# Altium PCB Rev5_FE_Test.PCBDOC (part 1 of 2)
Units mm, origin at the board's own origin, x right, y up, seen from the top; angles counter-clockwise.
Board outline 100 x 23.5 mm, 6 copper layers (Top Layer, Int1 (GND), Int2 (Sign), Int3 (Sign), Int4 (GND), Bottom Layer), stack 1.49 mm thick; 156 components, 83 nets, 449 pads, 275 vias.
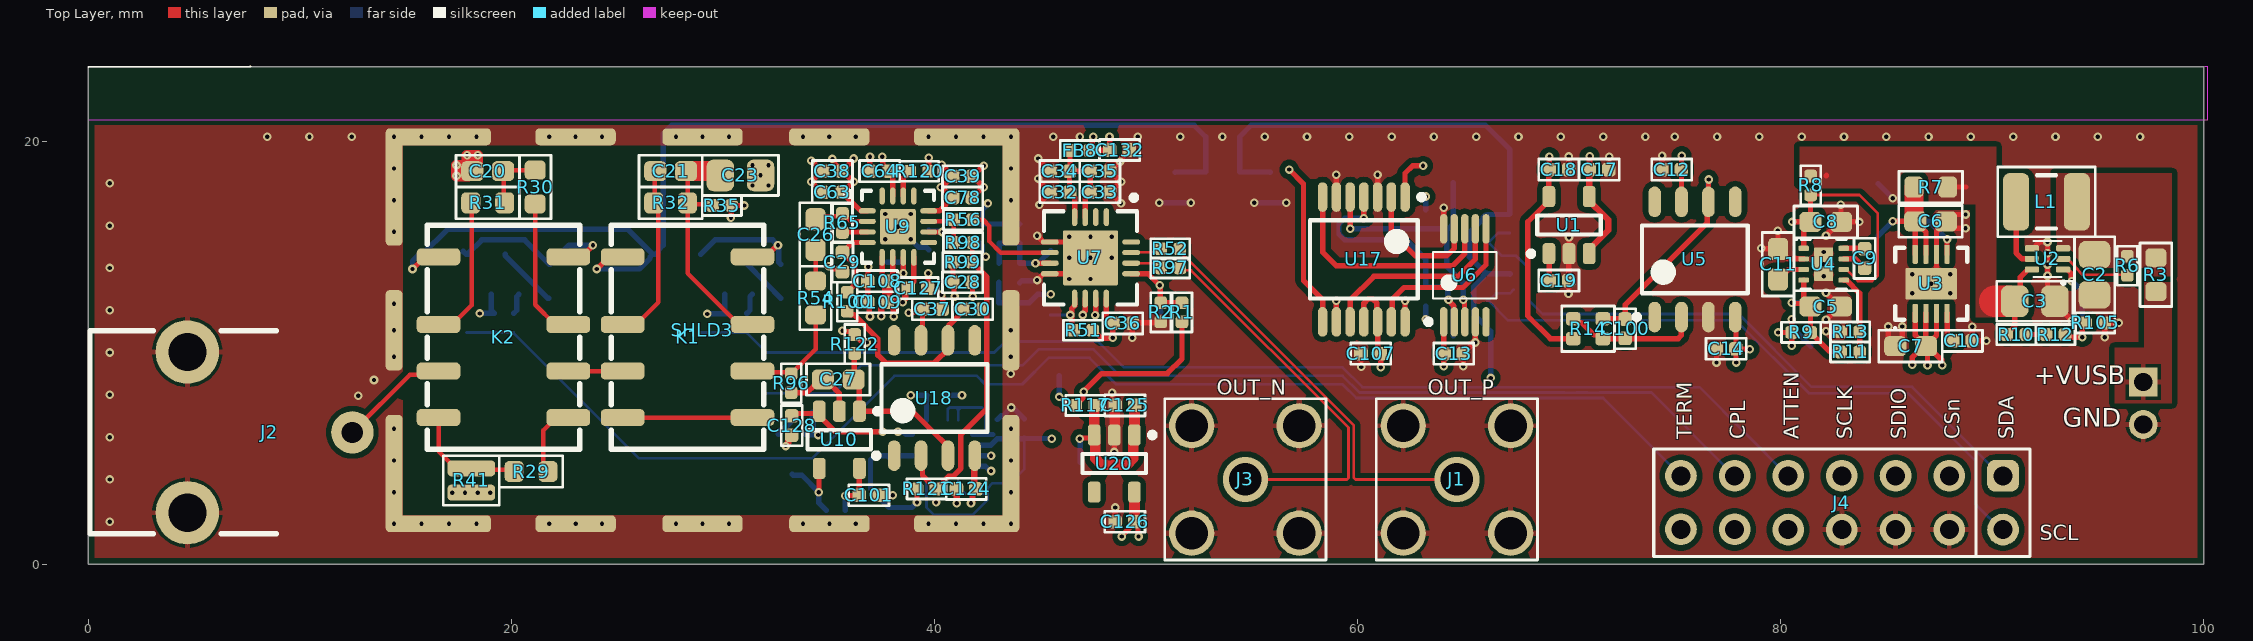
[diagram p0: Top Layer view]
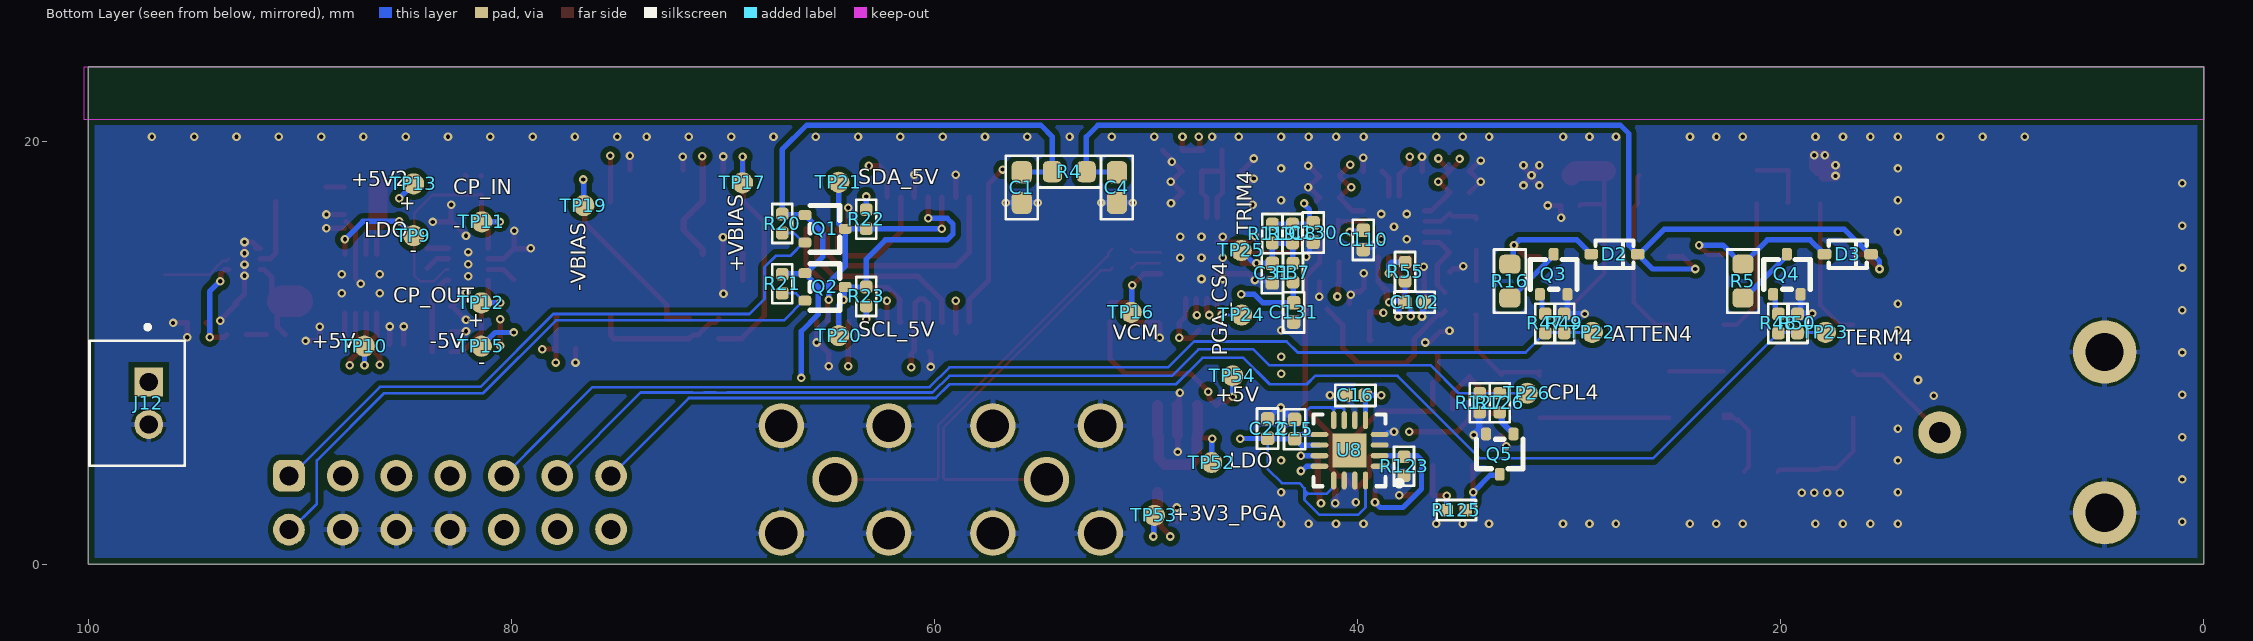
[diagram p1: Bottom Layer view, seen from below]
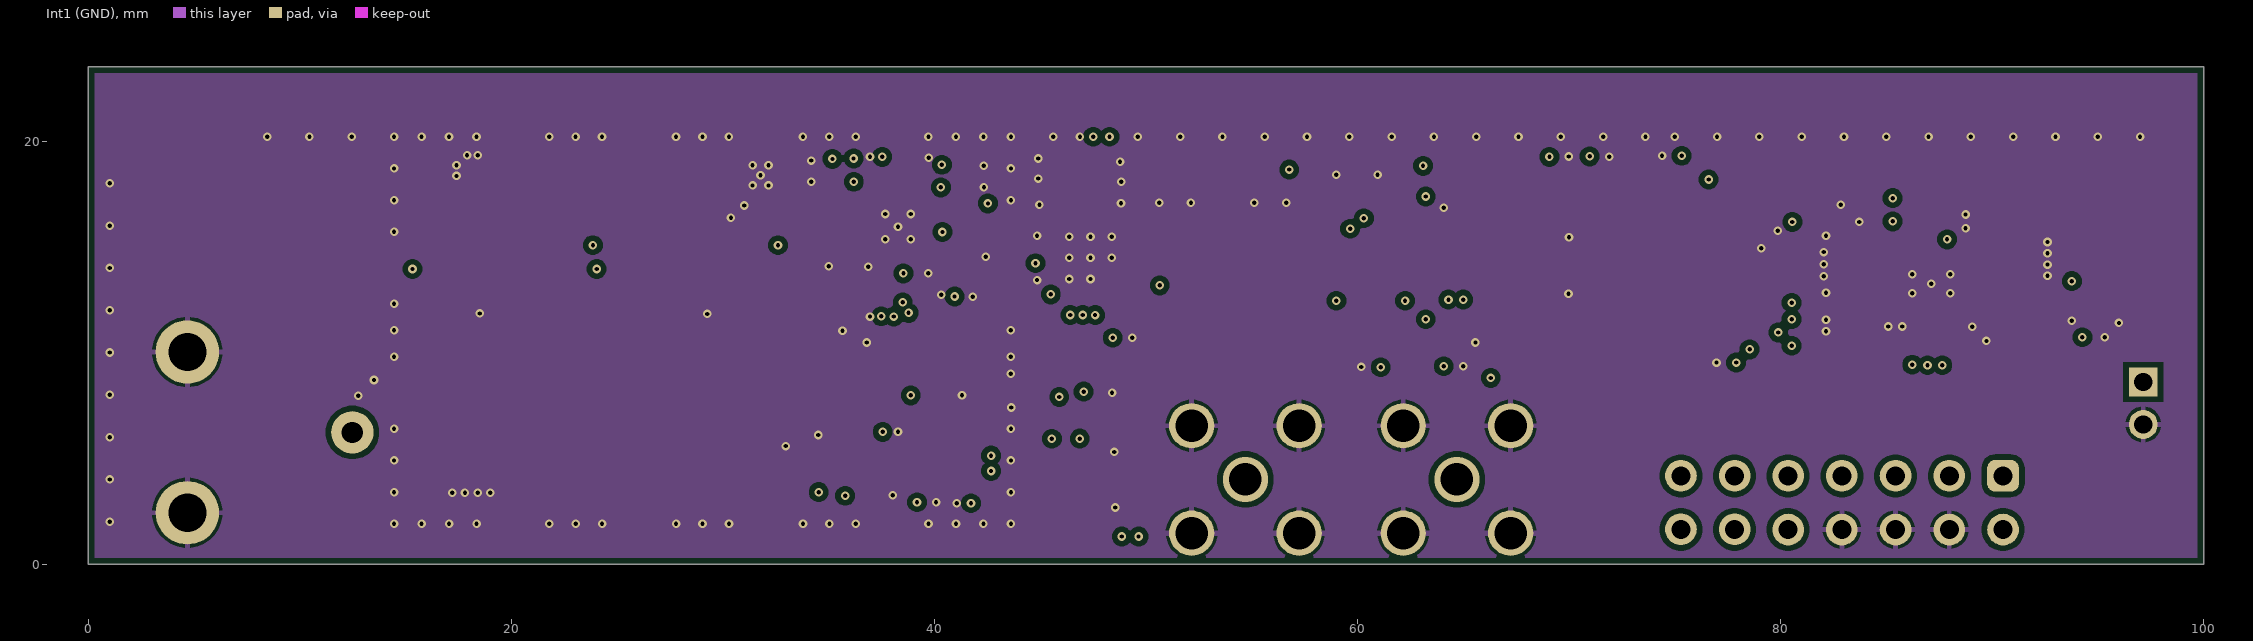
[diagram p2: Int1 (GND)]
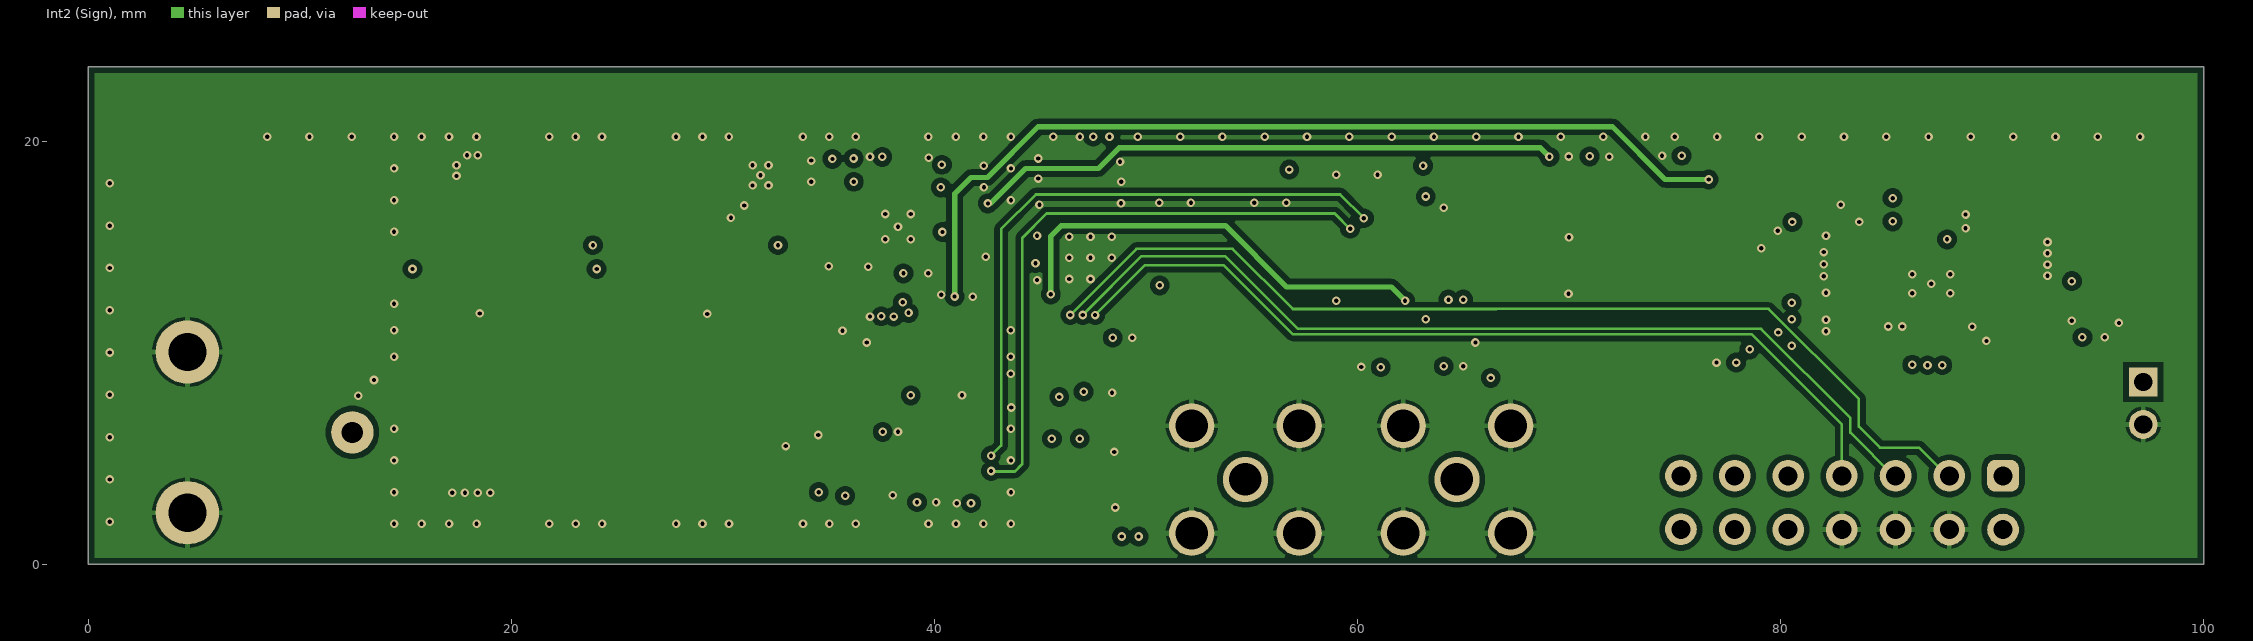
[diagram p3: Int2 (Sign)]
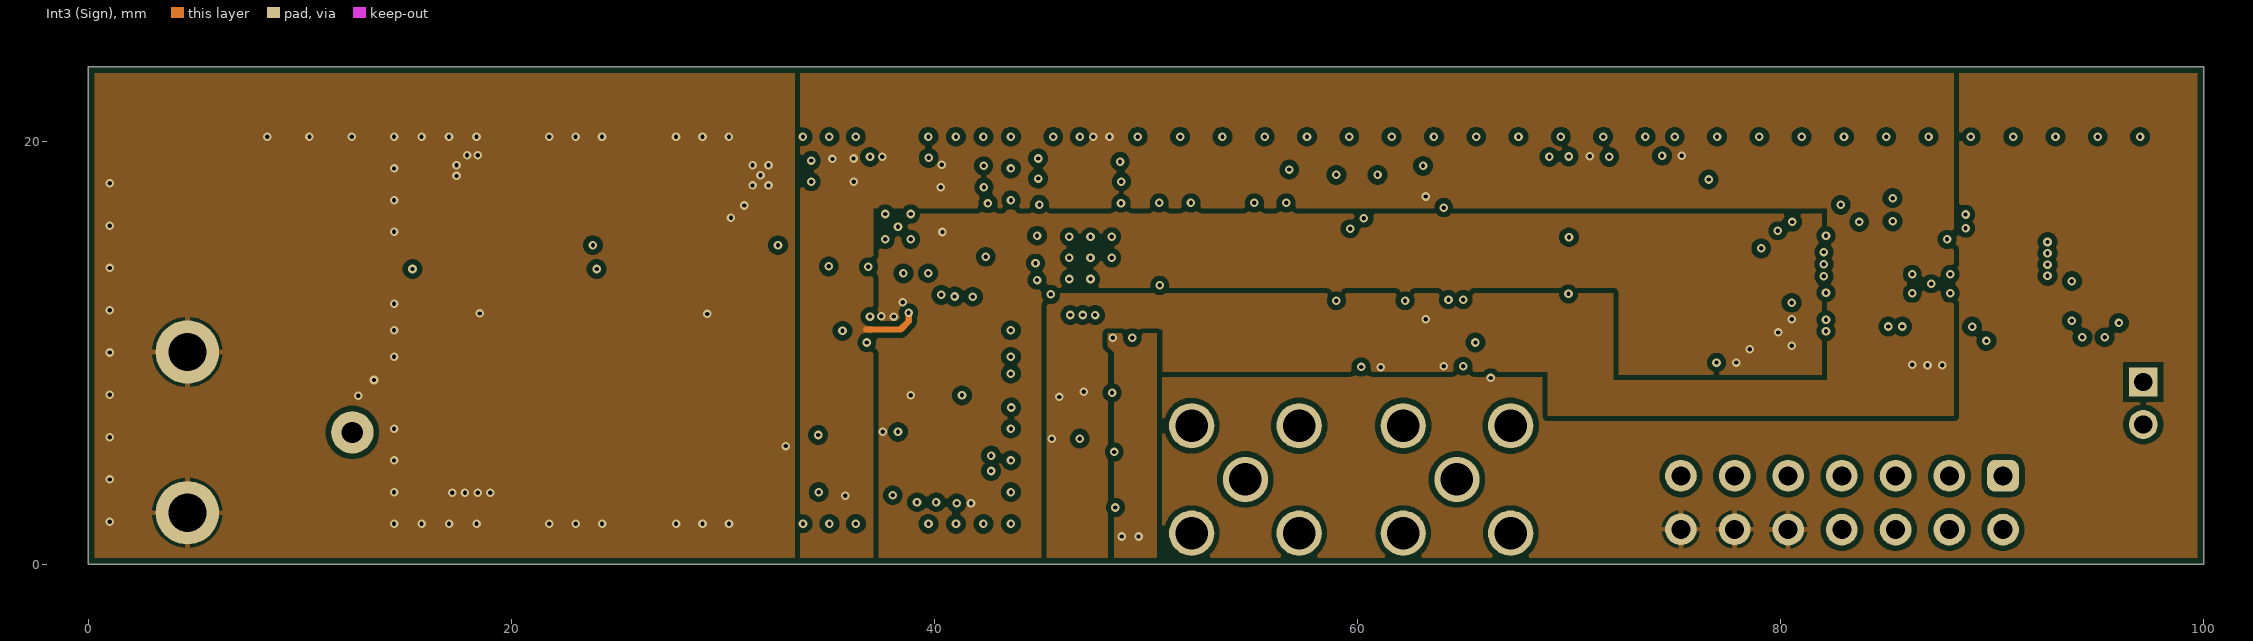
[diagram p4: Int3 (Sign)]
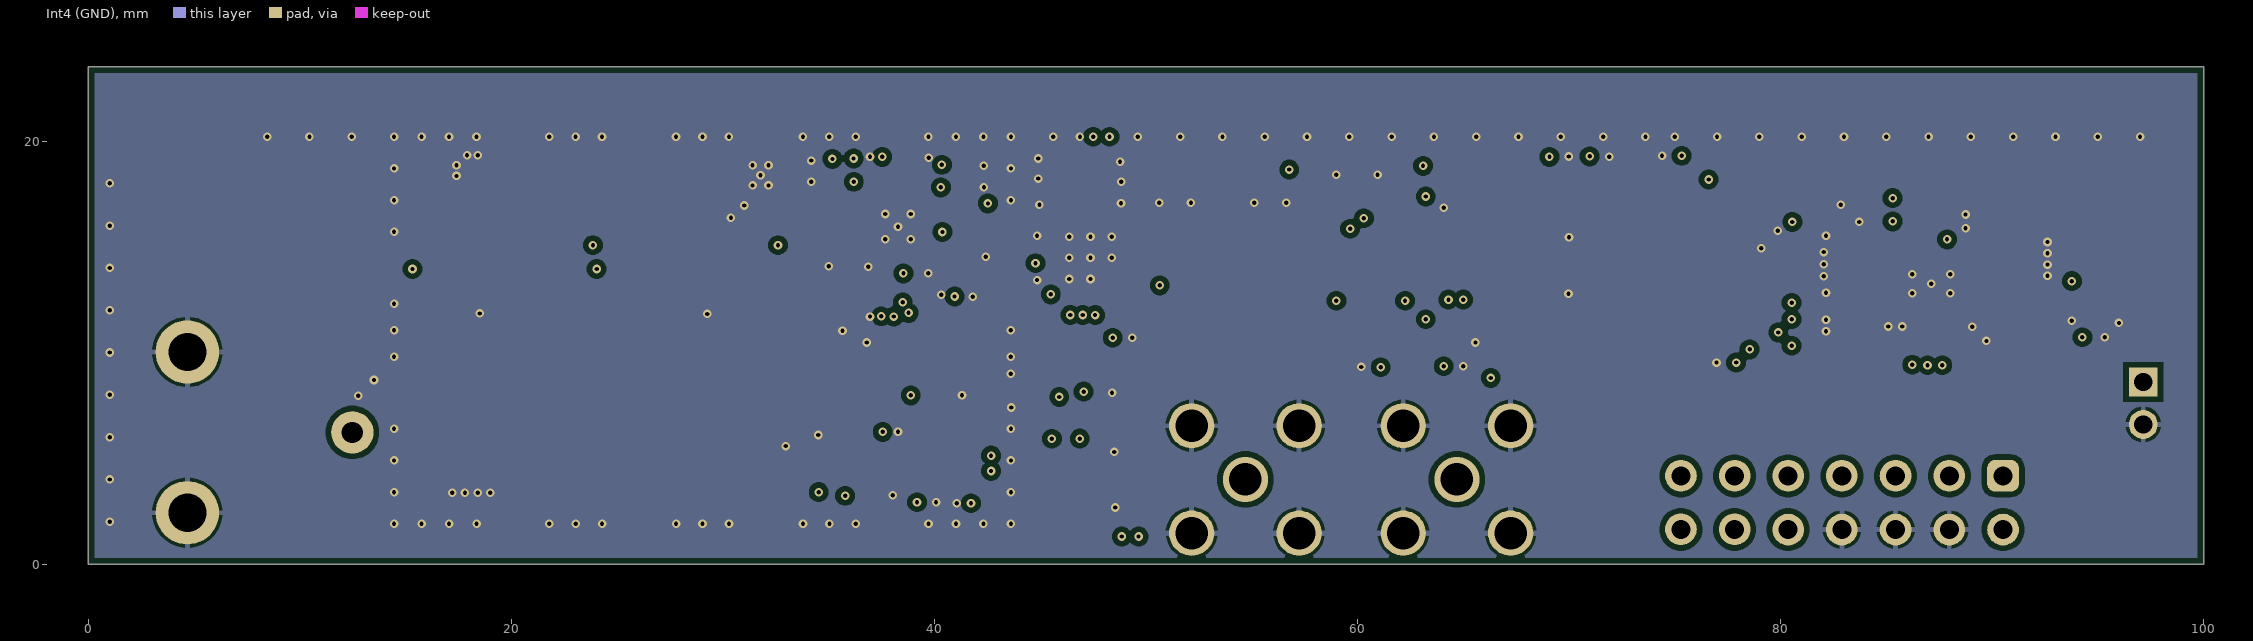
[diagram p5: Int4 (GND)]
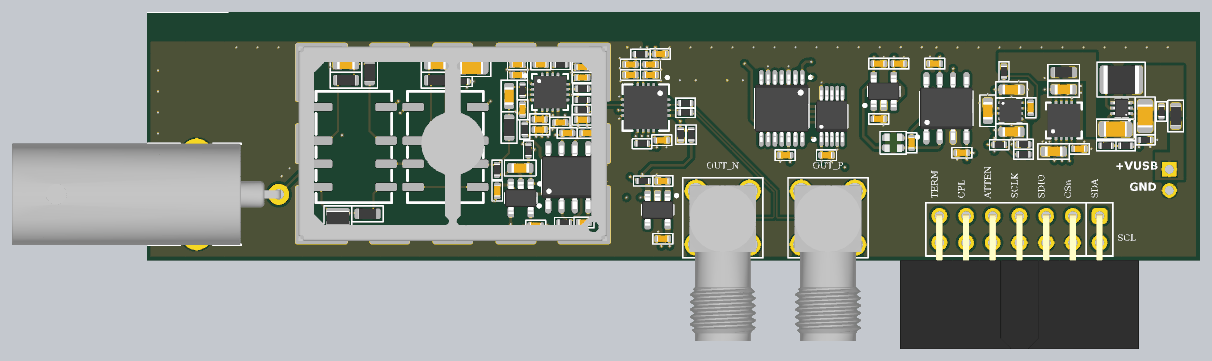
[diagram p7: 3D render of the assembled board from above, using the file's embedded part models]
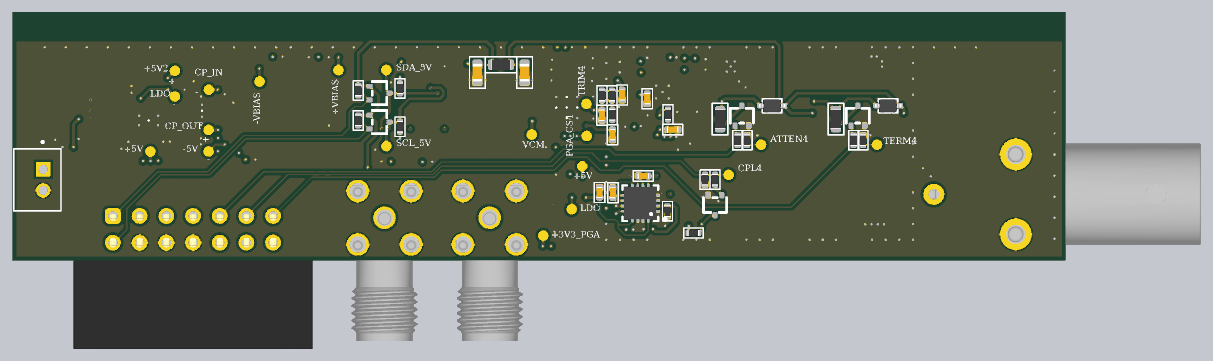
[diagram p8: 3D render of the assembled board from below, using the file's embedded part models]

## Layer stack, top to bottom
Top Solder: solder mask 0.0254, SM-001, Dk 4
Top Layer: signal copper 0.035
Dielectric 1: prepreg 0.1107, PP-006, Dk 3.23
Int1 (GND): signal copper 0.0175
Dielectric 3: core 0.1016, Core-035, Dk 3.66
Int2 (Sign): signal copper 0.0175
Dielectric 5: core 0.9256, PP-006, Dk 3.66
Int3 (Sign): signal copper 0.0175
Dielectric 6: core 0.1016, Core-035, Dk 3.66
Int4 (GND): signal copper 0.0175
Dielectric 8: prepreg 0.1107, PP-006, Dk 3.23
Bottom Layer: signal copper 0.035
Bottom Solder: solder mask 0.0254, SM-001, Dk 4

## Board outline
0,0 0,23.5 100,23.5 100,0

## Design rules (kind name [scope] priority, off if disabled: settings)
BoardOutlineClearance [All] p1: gap=0.3 ignorepadtopadclearanceinfootprint=FALSE
Clearance Clearance_Via [isVia vs isVia or (isPad and not InComponent('C23'))] p1 off: gap=0.127 ignorepadtopadclearanceinfootprint=FALSE except(0: Arc-Hole Track-Hole SMDPad-Hole THPad-Hole Via-Hole Fill-Hole Poly-Hole Region-Hole Text-Hole)
Clearance [All] p2: gap=0.127 ignorepadtopadclearanceinfootprint=FALSE except(0: Arc-Hole Track-Hole SMDPad-Hole THPad-Hole Via-Hole Fill-Hole Poly-Hole Region-Hole Text-Hole; 0.18: Arc-THPad Track-THPad SMDPad-THPad THPad-THPad; 0.254: Arc-Poly Track-Poly SMDPad-Poly THPad-Poly Via-Poly Fill-Poly Poly-Poly)
ComponentClearance ComponentClearance_BNC [HasFootprint('MOL_0731000105')] p1: gap=0 collisioncheckmode=3 verticalgap=0 showdistances=FALSE
ComponentClearance ComponentClearance_Probe_Comp [HasFootprint('GEN_2.54mm_1x2_Pin_TH_RA')] p2: gap=0 collisioncheckmode=3 verticalgap=0 showdistances=FALSE
ComponentClearance ComponentClearance_100pin [HasFootprint('SAM_LSHM-150-XX.X-XX-DV-A-S')] p3: gap=0 collisioncheckmode=3 verticalgap=0 showdistances=FALSE
ComponentClearance ComponentClearance_60pin [HasFootprint('SAM_LSHM-130-XX.X-XX-DV-A-S')] p4: gap=0 collisioncheckmode=3 verticalgap=0 showdistances=FALSE
ComponentClearance [All] p5: gap=0.254 collisioncheckmode=3 verticalgap=0.254 showdistances=FALSE
DiffPairsRouting DiffPairsRouting_100Z_PGA [InDifferentialPairClass('All Differential Pairs')] p1: maxlimit=0.23 minlimit=0.127 mostfreqgap=0.23 toplayer_mingap=0.13 toplayer_maxgap=0.13 toplayer_prefgap=0.13 toplayer_minwidth=0.127 toplayer_maxwidth=0.127 toplayer_prefwidth=0.127 midlayer2_mingap=0.23 midlayer2_minwidth=0.127 midlayer2_maxwidth=0.127 midlayer2_prefwidth=0.127 midlayer3_mingap=0.23 midlayer3_minwidth=0.127 midlayer3_maxwidth=0.127 midlayer3_prefwidth=0.127 bottomlayer_mingap=0.13 bottomlayer_maxgap=0.13 bottomlayer_prefgap=0.13 bottomlayer_minwidth=0.127 bottomlayer_maxwidth=0.127 bottomlayer_prefwidth=0.127 impedanceprofiledriven=TRUE impedanceprofileid={FB5F7173-F835-4297-BE54-BE04AE4BFF60} impedanceprofilevalue=100.000000 maxuncoupledlength=12.7
Height "PCI Express, Page 84, \"Component Height Constraints\" for solder side" [OnBottomLayer] p1: minheight=0 maxheight=2.67 prefheight=2.67
Height "PCI Express, Page 84, \"Component Height Constraints\" for component side" [OnTopLayer] p2: minheight=0 maxheight=14.47 prefheight=14.47
HoleSize [All] p1: absolutevalues=TRUE maxlimit=6.731 minlimit=0.254 maxpercent=80.000 minpercent=20.000
HoleToHoleClearance [All] p1: gap=0.254 allowstackedmicrovias=FALSE
MatchedLengths MatchedLengths_Inputs [InNetClass('50Z')] p1: tolerance=25.4 checknetsindiffpair=FALSE checkdiffpairvsdiffpair=TRUE checkxsignals=TRUE checkothers=TRUE usedelayunits=TRUE delaytolerance=0.100000
MatchedLengths MatchedLengths_ADC [InDifferentialPairClass('100Z_Diff')] p2: tolerance=3 checknetsindiffpair=FALSE checkdiffpairvsdiffpair=TRUE checkxsignals=TRUE checkothers=TRUE usedelayunits=TRUE delaytolerance=5.000000
MatchedLengths MatchedLengths_ADC_pair [InDifferentialPairClass('100Z_Diff')] p3: tolerance=3 checknetsindiffpair=TRUE checkdiffpairvsdiffpair=FALSE checkxsignals=FALSE checkothers=FALSE usedelayunits=TRUE delaytolerance=2.000000
MatchedLengths MatchedLengths_PGA [InDifferentialPairClass('100Z_Diff_PGA')] p4: tolerance=3 checknetsindiffpair=FALSE checkdiffpairvsdiffpair=TRUE checkxsignals=TRUE checkothers=TRUE usedelayunits=TRUE delaytolerance=5.000000
MatchedLengths MatchedLengths_PGA_pair [InDifferentialPairClass('100Z_Diff_PGA')] p5: tolerance=3 checknetsindiffpair=TRUE checkdiffpairvsdiffpair=FALSE checkxsignals=FALSE checkothers=FALSE usedelayunits=TRUE delaytolerance=2.000000
MatchedLengths MatchedLengths_PCIe_pair [InDifferentialPairClass('PCIe')] p6: tolerance=3 checknetsindiffpair=TRUE checkdiffpairvsdiffpair=FALSE checkxsignals=FALSE checkothers=FALSE usedelayunits=TRUE delaytolerance=2.000000
MinimumAnnularRing [All] p1: minimumring=0.102
MinimumSolderMaskSliver [All] p1: minsoldermaskwidth=0
PlaneClearance [All] p1: clearance=0.127
PlaneConnect [All] p1: pad.planeconnectstyle=Relief pad.reliefexpansion=0.102 pad.reliefentries=4 pad.reliefconductorwidth=0.152 pad.reliefairgap=0.152 via.planeconnectstyle=Direct via.reliefexpansion=0.102 via.reliefentries=4 via.reliefconductorwidth=0.152 via.reliefairgap=0.152
PolygonConnect [All] p1: thpad.connectstyle=Relief thpad.reliefconductorwidth=0.254 thpad.reliefentries=4 thpad.polygonreliefangle="90 Angle" thpad.airgapwidth=0.152 smdpad.connectstyle=Direct smdpad.reliefconductorwidth=0.254 smdpad.reliefentries=4 smdpad.polygonreliefangle="90 Angle" smdpad.airgapwidth=0.152 via.connectstyle=Direct via.reliefconductorwidth=0.254 via.reliefentries=4 via.polygonreliefangle="90 Angle" via.airgapwidth=0.152
RoutingCorners [All] p1: cornerstyle=45-Degree minsetback=1.25 maxsetback=1.25
RoutingVias [All] p1: holewidth=0.254 width=0.457 viastyle="Through Hole" minholewidth=0.254 minwidth=0.457 maxholewidth=0.254 maxwidth=0.457 useviatemplates=TRUE viatemplateguid#1={14ACA18C-B4B9-4F0E-87C9-584203889310} viatemplatename#1=v41h20m0mx0
SilkToSilkClearance [All] p1: silktosilkclearance=0
SilkToSolderMaskClearance [IsPad] p1: minsilkscreentomaskgap=0.127 clearancetoexposedcopper=TRUE
SolderMaskExpansion [All] p1: expansion=0.038 istentingtop=FALSE
ViasUnderSMD ViasUnderSMD_1 [HasFootprint('GEN_C_0805')] p1: allowed=TRUE
ViasUnderSMD [All] p2: allowed=FALSE
Width GND [InNet('GND')] p1: maxlimit=0.762 minlimit=0.127 preferedwidth=0.508
Width Power [InNetClass('Power')] p2: maxlimit=1.016 minlimit=0.508 preferedwidth=0.762
Width 3V3 [InNetClass('3V3')] p3: maxlimit=0.762 minlimit=0.254 preferedwidth=0.508
Width 50Z [InNetClass('50Z')] p4: maxlimit=0.254 minlimit=0.127 preferedwidth=0.156 toplayer_minwidth=0.213 toplayer_maxwidth=0.213 toplayer_prefwidth=0.213 midlayer2_minwidth=0.156 midlayer2_maxwidth=0.156 midlayer3_minwidth=0.156 midlayer3_maxwidth=0.156 bottomlayer_minwidth=0.213 bottomlayer_maxwidth=0.213 bottomlayer_prefwidth=0.213 impedanceprofiledriven=TRUE impedanceprofileid={FDA8FC08-28A6-4DD6-B9BB-CC1F53D11216} impedanceprofilevalue=50.000000 minimp=50.000000 maximp=50.000000 favimp=50.000000
Width [All] p5: maxlimit=10.16 minlimit=0.127 preferedwidth=0.254 midlayer3_minwidth=0.152 midlayer3_prefwidth=0.203 midlayer4_minwidth=0.152 midlayer4_prefwidth=0.203 minimp=50.000000 maximp=50.000000 favimp=50.000000
19 further rules are at their usual default settings.

## Classes and differential pairs
component class FE: C1 C2 C3 C4 C5 C6 C7 C8 C9 C10 C11 C12 C13 C14 C17 C18 C19 C100 C107 C125 C126 J4 J12 L1 Q1 Q2 R1 R2 R3 R4 R6 R7 R8 R9 R10 R11 R12 R13 R14 R20 R21 R22 R23 R105 R117 TP9 TP10 TP11 TP12 TP13 TP15 TP16 TP17 TP19 TP20 TP21 TP52 TP53 TP54 U1 U2 U3 U4 U5 U6 U17 U20
component class CH4: C15 C16 C20 C21 C22 C23 C26 C27 C28 C29 C30 C31 C32 C33 C34 C35 C36 C37 C38 C39 C63 C64 C78 C101 C102 C108 C109 C110 C124 C127 C128 C130 C131 C132 D2 D3 FB7 FB8 J1 J2 J3 K1 K2 Q3 Q4 Q5 R5 R16 R29 R30 R31 R32 R35 R41 R47 R48 R49 R50 R51 R52 R54 R55 R56 R65 R96 R97 R98 R99 R100 R118 R119 R120 R121 R122 R123 R125 R126 R127 SHLD3 TP22 TP23 TP24 TP25 TP26 U7 U8 U9 U10 U18
differential pair OUT_R: +OUT_R_P -OUT_R_N
